# Altium PCB GameBoard_V1I1_Phase1.PcbDoc (part 11 of 18)
Units mm, origin at the board's own origin, x right, y up, seen from the top; angles counter-clockwise.
Board outline 182 x 70.2 mm, 12 copper layers (L1, L2, L3, L4, L5 (PWR), L6 (PWR), L7 (PWR), L8 (PWR), L9, L10, L11, L12), stack 2.079 mm thick; 1542 components, 1068 nets, 5447 pads, 3805 vias.
Unrouted connection lines stored in the file: 2.
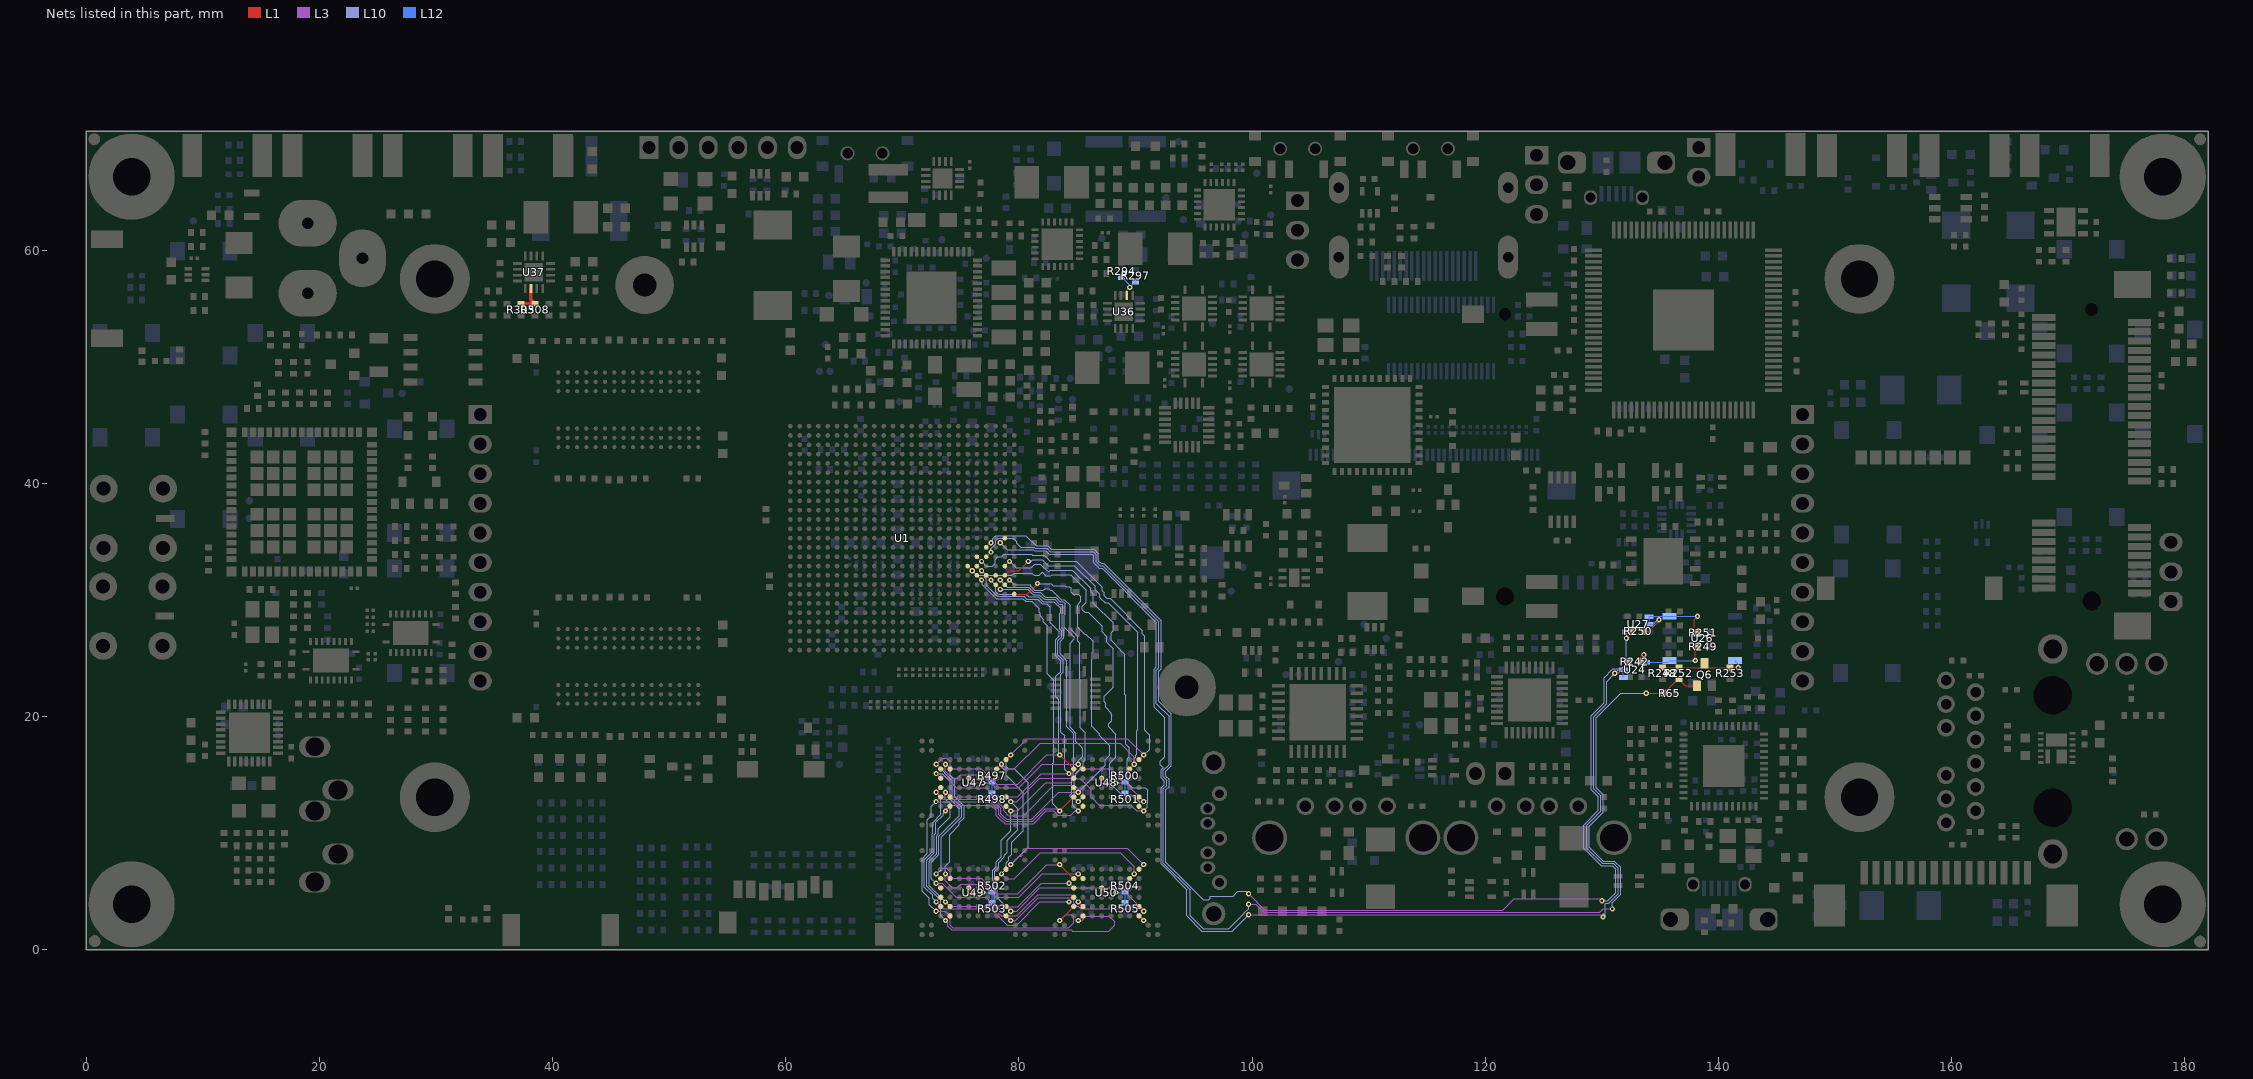
[diagram p21: the nets of this part, all layers, seen from the top]

## Via types
v1: diameter 0.45, hole 0.2, L1 to L12, 1937 vias
v2: diameter 0.45, hole 0.2, L1 to L12, tented both sides, 1004 vias
v3: diameter 0.27, hole 0.1, L1 to L2, 337 vias
v4: diameter 0.27, hole 0.1, L2 to L3, 335 vias
v5: diameter 0.27, hole 0.1, L10 to L11, 96 vias
v6: diameter 0.27, hole 0.1, L11 to L12, 94 vias
v7: diameter 0.27, hole 0.1, L3 to L5 (PWR), 2 vias

## Nets (pads, with @x,y where several pads share a name; then routed paths per layer and width w, separated by ;. In a path a pad name is that pad's centre, name@x,y a point inside that pad or via, vN(x,y) a via of type N, cw(c..) or ccw(c..) an arc to the next point about the centre after c; other vN are vias at no path point) (continued)
FLASH_DATA1: U1.C17 U47.J4 U48.J4 U49.J4 U50.J4 | length 62.3
  L1 w0.093: v2(73.7,6.5) U49.J4@74.1,6.1 ; v2(73.7,15.9) U47.J4@74.1,15.5 ; U1.C17@78,32.1 v2(78.4,31.7) ; v2(85.1,6.5) U50.J4@85.5,6.1 ; v2(85.1,15.9) U48.J4@85.5,15.5
  L3 w0.093: v2(73.7,6.5) 73.7,5.9 74.3,5.3 74.7,5.3 75,5.6 76.9,5.6 78,4.5 80,4.5 82,6.5 v2(85.1,6.5) ; v2(73.7,15.9) 73.7,15.3 74.3,14.7 74.7,14.7 75,15 76.9,15 78,13.9 80,13.9 82,15.9 v2(85.1,15.9)
  L10 w0.093: v2(73.7,6.5) 73.7,7.175 74.071,7.546 74.071,9.871 74.9,10.7 74.9,10.927 75.3,11.327 75.3,12.3 74.5,13.1 74.5,14.573 74.1,14.973 74.1,15.5 v2(73.7,15.9) ; v2(78.4,31.7) 79.007,31.093 80.836,31.093 81.292,30.636 81.838,30.636 82.246,30.228 82.554,30.228 82.569,30.244 83.139,30.244 83.544,29.839 83.807,29.839 83.958,29.688 83.958,28.786 83.9,28.729 83.9,27.648 84.676,26.872 84.754,26.872 84.754,26.654 84.4,26.3 84.4,19.073 84.893,18.58 84.893,17.821 85.242,17.472 85.254,17.472 85.388,17.338 85.472,17.338 85.472,16.572 85.1,16.2 v2(85.1,15.9)
FLASH_DATA2: U1.F16 U47.K4 U48.K4 U49.K4 U50.K4 | length 64.2
  L1 w0.093: v2(72.9,6.5) U49.K4@73.3,6.1 ; v2(72.9,15.9) U47.K4@73.3,15.5 ; U1.F16@75.6,32.9 v2(76,32.5) ; v2(83.5,7.3) U50.K4@84.7,6.1 ; v2(83.5,16.7) U48.K4@84.7,15.5
  L3 w0.093: v2(72.9,6.5) 73.4,7 73.8,7 74.1,6.7 74.1,6.375 74.346,6.128 76.772,6.128 78.1,4.8 79.9,4.8 82.4,7.3 v2(83.5,7.3) ; v2(72.9,15.9) 73.078,16.079 73.087,16.079 73.408,16.4 73.8,16.4 74.1,16.1 74.1,15.775 74.346,15.528 76.772,15.528 78.1,14.2 79.9,14.2 82.4,16.7 v2(83.5,16.7)
  L10 w0.093: v2(72.9,6.5) 72.957,6.5 73.328,6.872 73.328,9.628 75.1,11.4 75.1,12.2 74.3,13 74.3,14.5 v2(72.9,15.9) ; v2(76,32.5) 76.4,32.1 76.927,32.1 77.12,31.907 77.193,31.907 77.2,31.9 77.2,31.246 78.153,30.293 78.682,30.293 78.696,30.307 80.428,30.307 80.678,30.057 81.598,30.057 82.006,29.649 82.38,29.649 82.672,29.358 82.672,28.057 83.471,27.257 83.471,26.917 83.143,26.588 83.143,25.212 83.572,24.783 83.572,23.846 83.165,23.439 83.165,21.692 83.414,21.442 83.414,16.786 v2(83.5,16.7)
FLASH_DATA3: U1.D17 U47.K5 U48.K5 U49.K5 U50.K5 | length 62.9
  L1 w0.093: v2(72.9,5.7) U49.K5@73.3,5.3 ; v2(72.9,15.1) U47.K5@73.3,14.7 ; U1.D17@77.2,32.1 v2(77.6,31.7) ; v2(84.3,5.7) U50.K5@84.7,5.3 ; v2(84.3,15.1) U48.K5@84.7,14.7
  L3 w0.093: v2(72.9,5.7) 73.425,5.7 74.625,4.5 77.2,4.5 78,3.7 79.9,3.7 81.9,5.7 v2(84.3,5.7) ; v2(72.9,15.1) 73.425,15.1 74.625,13.9 77.2,13.9 78,13.1 79.9,13.1 81.9,15.1 v2(84.3,15.1)
  L10 w0.093: v2(72.9,5.7) 72.5,6.1 72.5,7.508 73.135,8.144 73.135,9.708 73.272,9.845 73.272,9.872 74.9,11.5 74.9,12.1 74.1,12.9 74.1,14.427 73.427,15.1 v2(72.9,15.1) ; v2(77.6,31.7) 78.029,31.272 78.029,30.69 78.219,30.5 80.608,30.5 80.858,30.25 81.678,30.25 82.086,29.842 82.994,29.842 83.572,29.265 83.572,28.946 83.5,28.875 83.5,27.502 83.664,27.337 83.664,26.837 83.336,26.508 83.336,25.292 83.793,24.834 83.793,23.795 83.607,23.609 83.607,18.656 83.929,18.335 83.929,15.471 v2(84.3,15.1)
FLASH_DATA4: U1.A19 U47.K6 U48.K6 U49.K6 U50.K6 | length 66.4
  L1 w0.093: v2(72.9,4.1) U49.K6@73.3,4.5 ; v2(72.9,13.5) U47.K6@73.3,13.9 ; U1.A19@79.6,30.5 80.7,30.5 v2(81.6,31.4) ; v2(84.3,4.1) U50.K6@84.7,4.5 ; U48.K6@84.7,13.9 v2(85.1,13.5)
  L3 w0.093: v2(72.9,4.1) 73.5,3.5 77.6,3.5 79,2.1 79.8,2.1 81.8,4.1 v2(84.3,4.1) ; v2(72.9,13.5) 73.5,12.9 77.6,12.9 77.714,12.786 77.738,12.786 77.967,12.557 78.014,12.557 78.457,12.114 78.457,11.643 78.735,11.365 78.8,11.365 78.965,11.2 81.1,11.2 83.4,13.5 v2(85.1,13.5)
  L10 w0.093: v2(72.9,4.1) 72.6,4.4 72.6,4.654 71.9,5.354 71.9,7.727 72.556,8.384 72.556,9.948 72.6,9.992 72.6,10.9 73.3,11.6 73.3,13.1 v2(72.9,13.5) ; v2(81.6,31.4) 82.775,31.4 82.946,31.228 83.973,31.228 84.066,31.136 84.337,31.136 84.493,30.98 84.493,30.665 84.741,30.417 84.796,30.472 85.104,30.472 85.321,30.254 85.321,29.946 85.267,29.891 85.292,29.866 85.029,29.604 85.029,27.671 85.629,27.072 85.754,27.072 86.365,26.461 86.365,25.566 86.3,25.502 86.3,24.925 86.228,24.854 86.228,19.167 86.893,18.502 86.893,18.403 87.807,17.489 87.807,16.68 87.407,16.28 87.407,15.807 v2(85.1,13.5)
FLASH_DATA5: U1.B18 U47.J7 U48.J7 U49.J7 U50.J7 | length 65.9
  L1 w0.093: v2(73.7,4.1) U49.J7@74.1,3.7 ; v2(73.7,13.5) U47.J7@74.1,13.1 ; U1.B18@78.8,31.3 v2(79.2,31.7) ; v2(85.1,4.1) U50.J7@85.5,3.7 ; v2(85.1,12.7) U48.J7@85.5,13.1
  L3 w0.093: v2(73.7,4.1) 74.071,3.728 77.471,3.728 77.507,3.693 77.68,3.693 78.473,2.9 79.8,2.9 81.6,4.7 84.5,4.7 v2(85.1,4.1) ; v2(73.7,13.5) 74.071,13.129 77.471,13.129 77.507,13.093 77.68,13.093 77.794,12.979 77.818,12.979 78.047,12.75 78.094,12.75 78.7,12.144 78.7,11.9 79.1,11.5 80.4,11.5 83,14.1 84.5,14.1 84.7,13.9 85.225,13.9 85.5,13.625 85.5,13.1 v2(85.1,12.7)
  L10 w0.093: v2(73.7,4.1) 72.3,5.5 72.3,7.581 72.942,8.224 72.942,9.788 73.079,9.925 73.079,10.379 74.1,11.4 74.1,12.5 73.7,12.9 v2(73.7,13.5) ; v2(79.2,31.7) 79.6,31.3 80.627,31.3 80.641,31.286 80.96,31.286 81.035,31.21 81.035,31.166 81.372,30.829 82.104,30.829 82.246,30.972 82.554,30.972 82.683,30.843 82.813,30.843 83.624,30.032 83.887,30.032 84.385,29.533 84.385,27.513 85.035,26.863 85.035,26.466 85.2,26.302 85.2,23.197 85.272,23.125 85.272,19.028 85.675,18.625 85.675,16.272 85.529,16.125 85.529,15.803 84.865,15.139 84.865,14.866 84.8,14.802 84.8,14.525 84.728,14.525 84.728,13.346 84.8,13.275 84.8,13 v2(85.1,12.7)
FLASH_DATA6: U1.E17 U47.K7 U48.K7 U49.K7 U50.K7 | length 67.1
  L1 w0.093: v1(72.9,3.3) U49.K7@73.3,3.7 ; v2(72.9,12.7) U47.K7@73.3,13.1 ; U1.E17@76.4,32.1 v2(76.8,31.7) ; v2(83.5,2.5) U50.K7@84.7,3.7 ; v2(83.5,11.9) U48.K7@84.7,13.1
  L3 w0.093: v1(72.9,3.3) 73.7,3.3 74.1,2.9 74.1,2.1 74.307,1.893 84.293,1.893 84.7,2.3 84.7,2.8 84.5,3 84,3 v2(83.5,2.5) ; v2(72.9,12.7) 77.325,12.7 77.432,12.593 77.658,12.593 77.887,12.364 77.934,12.364 78.264,12.034 78.264,11.563 78.655,11.172 78.72,11.172 78.885,11.007 81.18,11.007 82.266,12.093 83.208,12.093 83.321,11.98 83.321,11.826 83.374,11.774 v2(83.5,11.9)
  L10 w0.093: v1(72.9,3.3) 72.327,3.873 72.327,4.4 71.707,5.02 71.707,5.393 71.7,5.4 71.7,7.8 72.15,8.25 72.15,11.15 72.5,11.5 72.5,12.3 v2(72.9,12.7) ; v2(76.8,31.7) 76.873,31.627 76.873,31.3 78.073,30.1 78.762,30.1 78.776,30.114 80.348,30.114 80.598,29.864 81.1,29.864 81.729,29.236 81.729,28.946 81.837,28.837 81.837,28.619 82.1,28.356 82.1,28.125 82.428,27.797 82.428,23.663 82.972,23.12 82.972,16.044 82.9,15.973 82.9,12.5 v2(83.5,11.9)
FLASH_DATA7: U1.C18 U47.J8 U48.J8 U49.J8 U50.J8 | length 70.6
  L1 w0.093: v2(73.7,2.5) U49.J8@74.1,2.9 ; v2(73.7,11.9) U47.J8@74.1,12.3 ; U1.C18@78,31.3 v2(78.4,30.9) ; v2(85.1,2.5) U50.J8@85.5,2.9 ; v2(85.1,11.9) U48.J8@85.5,12.3
  L3 w0.093: v2(73.7,2.5) 73.907,2.293 73.907,2.02 74.227,1.7 84.473,1.7 84.573,1.6 87.7,1.6 88.2,2.1 88.2,2.4 87.728,2.872 85.746,2.872 85.375,2.5 v2(85.1,2.5) ; v2(73.7,11.9) 74.2,12.4 77.579,12.4 77.807,12.171 77.854,12.171 78.071,11.954 78.071,11.483 78.575,10.979 78.64,10.979 78.805,10.814 81.26,10.814 82.346,11.9 82.975,11.9 83.346,11.529 84.454,11.529 84.825,11.9 v2(85.1,11.9)
  L10 w0.093: v2(73.7,2.5) 73.3,2.9 73.3,4.227 72.1,5.427 72.1,7.654 72.749,8.304 72.749,9.868 72.886,10.005 72.886,10.913 73.493,11.52 73.493,11.693 v2(73.7,11.9) ; v2(78.4,30.9) 80.756,30.9 81.212,30.443 81.758,30.443 82.166,30.035 82.634,30.035 82.649,30.051 83.059,30.051 83.464,29.646 83.727,29.646 83.765,29.608 83.765,28.866 83.707,28.809 83.707,27.568 83.857,27.417 83.857,26.757 83.528,26.428 83.528,25.372 84.1,24.8 84.1,19.1 84.7,18.5 84.7,15.248 84.672,15.219 84.672,14.946 84.607,14.882 84.607,14.677 84.535,14.605 84.535,13.393 84.52,13.393 84.407,13.28 84.407,13.12 84.6,12.927 84.6,12.4 v2(85.1,11.9)
FLASH_PT0: R497.1 R498.2 U47.G5 | length 3.2
  L1 w0.1: U47.G5@75.7,14.7 76.1,14.3 v2(76.9,14.3)
  L12 w0.1: v2(76.9,14.3) 77.6,14.3 R497.1@77.7,14.4 R498.2@77.7,13.4
FLASH_PT1: R500.1 R501.2 U48.G5 | length 3.2
  L1 w0.1: U48.G5@87.1,14.7 87.5,14.3 v2(88.3,14.3)
  L12 w0.1: v2(88.3,14.3) 89,14.3 R500.1@89.1,14.4 R501.2@89.1,13.4
FLASH_PT2: R502.1 R503.2 U49.G5 | length 3.2
  L1 w0.1: U49.G5@75.7,5.3 76.1,4.9 v2(76.9,4.9)
  L12 w0.1: v2(76.9,4.9) 77.6,4.9 R502.1@77.7,5 R503.2@77.7,4
FLASH_PT3: R504.1 R505.2 U50.G5 | length 3.2
  L1 w0.1: U50.G5@87.1,5.3 87.5,4.9 v2(88.3,4.9)
  L12 w0.1: v2(88.3,4.9) 89,4.9 R504.1@89.1,5 R505.2@89.1,4
FLASH_RB0: U1.B16 U47.C8 U48.C8 U49.C8 U50.C8 | length 71.3
  L1 w0.093: U1.B16@78.8,32.9 v2(79.2,33.3) ; U49.C8@78.9,2.9 v2(79.3,2.5) ; U47.C8@78.9,12.3 v2(79.3,11.9) ; U50.C8@90.3,2.9 v2(90.7,2.5) ; U48.C8@90.3,12.3 v2(90.7,11.9)
  L3 w0.093: v2(79.3,2.5) 79.7,2.5 81.672,4.472 84.456,4.472 84.7,4.227 84.7,3.975 84.946,3.728 85.072,3.728 85.3,3.5 89.7,3.5 v2(90.7,2.5) ; v2(79.3,11.9) 79.9,11.9 82.3,14.3 84.408,14.3 84.78,14.672 85.254,14.672 86.2,13.725 86.2,13.1 86.9,12.4 89.6,12.4 90.1,11.9 v2(90.7,11.9)
  L10 w0.093: v2(79.2,33.3) 79.764,32.735 81.034,32.735 81.095,32.797 81.097,32.795 81.366,33.065 81.834,33.065 82.463,32.435 82.591,32.435 82.706,32.55 84.595,32.55 86.143,31.002 86.143,30.721 86.393,30.472 86.393,29.707 88.072,28.029 88.072,27.346 87.907,27.182 87.907,26.52 88.707,25.72 88.707,25.693 89.072,25.328 89.072,21.897 89.172,21.797 89.172,19.987 89.164,19.98 89.164,17.622 89.472,17.314 89.472,16.546 89.3,16.375 89.3,14.3 89.728,13.872 90.854,13.872 91.072,13.654 91.072,12.546 91.007,12.482 91.007,12.207 v2(90.7,11.9) ; v2(79.3,2.5) 77.9,3.9 77.9,5.75 77.742,5.907 77.742,6.814 77.782,6.854 77.782,6.857 78.072,7.146 78.072,7.416 78.073,7.417 78.073,7.546 78.5,7.973 78.5,9.4 79.3,10.2 v2(79.3,11.9)
FLASH_RE_B: U1.B17 U47.D4 U48.D4 U49.D4 U50.D4 | length 66.9
  L1 w0.093: U49.D4@78.1,6.1 v2(78.5,6.5) ; U47.D4@78.1,15.5 v2(78.5,15.9) ; U1.B17@78.8,32.1 79.2,32.5 80,32.5 v2(80.8,33.3) ; U50.D4@89.5,6.1 v2(89.9,6.5) ; U48.D4@89.5,15.5 v2(89.9,15.9)
  L3 w0.093: v2(78.5,6.5) 78.9,6.1 79.6,6.1 81.814,8.314 88.686,8.314 89.9,7.1 v2(89.9,6.5) ; v2(78.5,15.9) 78.9,15.5 79.6,15.5 81.814,17.714 88.686,17.714 89.9,16.5 v2(89.9,15.9)
  L10 w0.093: v2(78.5,6.5) 78.928,6.929 78.928,7.454 79.146,7.671 79.146,7.946 79.386,8.186 79.386,9.213 80.393,10.22 80.393,13.48 78.9,14.973 78.9,15.3 78.5,15.7 v2(78.5,15.9) ; v2(80.8,33.3) 81.052,33.3 81.095,33.343 81.097,33.341 81.206,33.45 81.994,33.45 82.527,32.917 82.546,32.936 84.755,32.936 86.529,31.162 86.529,30.881 86.943,30.468 86.943,30.186 87.386,29.743 87.668,29.743 90.2,27.211 90.2,18.872 90.086,18.758 90.086,16.759 90.007,16.68 90.007,16.52 90.026,16.501 89.9,16.374 v2(89.9,15.9) v2@90,16
FLASH_WE_B: U1.E16 U47.C7 U48.C7 U49.C7 U50.C7 | length 73.7
  L1 w0.093: U1.E16@76.4,32.9 v2(76.8,32.5) ; U49.C7@78.9,3.7 v2(79.3,3.3) ; U47.C7@78.9,13.1 v2(79.3,12.7) ; U50.C7@90.3,3.7 v2(90.7,3.3) ; U48.C7@90.3,13.1 v2(90.7,12.7)
  L3 w0.093: v2(79.3,3.3) 79.8,3.3 81.8,5.3 88.728,5.3 90.7,3.328 v2(90.7,3.3) ; v2(79.3,12.7) 79.8,12.7 81.8,14.7 84.536,14.7 85.336,15.5 87.928,15.5 90.7,12.728 v2(90.7,12.7)
  L10 w0.093: v2(76.8,32.5) 77.2,32.1 79.4,32.1 79.6,32.3 81.1,32.3 81.3,32.1 81.725,32.1 81.983,32.357 81.995,32.357 82.303,32.049 82.751,32.049 82.866,32.165 84.436,32.165 85.757,30.843 85.757,29.786 85.429,29.457 85.43,29.456 85.429,29.454 85.429,29.146 85.646,28.928 85.954,28.928 85.956,28.93 87.144,27.742 87.136,27.734 87.136,27.266 87.466,26.936 87.521,26.936 87.521,26.36 88.072,25.81 88.072,22.519 87.3,21.747 87.3,21.247 87.428,21.119 87.428,20.772 87.929,20.271 87.929,20.146 87.972,20.103 87.972,19.646 87.7,19.375 87.7,19.1 88.314,18.486 88.314,16.514 87.8,16 87.8,13.998 87.87,13.928 88.172,13.928 88.8,13.3 89.627,13.3 90.02,12.907 90.093,12.907 90.3,12.7 v2(90.7,12.7) ; v2(79.3,3.3) 78.128,4.472 78.128,6.073 77.975,6.226 77.935,6.266 77.935,6.734 78.266,7.065 78.266,7.466 78.76,7.96 78.76,8.106 79,8.346 79,9.4 79.9,10.3 79.9,12.1 v2(79.3,12.7)
FLASH_WP_B: U1.E15 U47.C3 U48.C3 U49.C3 U50.C3 | length 68
  L1 w0.093: U1.E15@76.4,33.7 v2(76.8,33.3) ; U49.C3@78.9,6.9 v2(79.3,7.3) ; U47.C3@78.9,16.3 v2(79.3,16.7) ; U50.C3@90.3,6.9 v2(90.7,7.3) ; U48.C3@90.3,16.3 v2(90.7,16.7)
  L3 w0.093: v2(79.3,7.3) 80.004,8.003 80.181,8.003 80.297,8.119 80.297,8.281 80.289,8.289 80.7,8.7 89.3,8.7 v2(90.7,7.3) ; v2(79.3,16.7) 80.7,18.1 89.3,18.1 v2(90.7,16.7)
  L10 w0.093: v2(76.8,33.3) 77.2,32.9 77.727,32.9 77.972,33.144 77.972,33.463 77.963,33.463 78.2,33.7 78.527,33.7 78.72,33.893 81.09,33.893 81.147,33.836 82.154,33.836 82.668,33.322 84.915,33.322 87.165,31.073 87.165,30.791 87.328,30.628 87.328,30.346 87.546,30.128 87.828,30.128 90.586,27.37 90.586,27.114 90.8,26.9 90.8,18.805 91.207,18.398 91.207,17.207 v2(90.7,16.7) ; v2(79.3,7.3) 80.8,8.8 80.8,14.3 79.6,15.5 79.1,15.5 78.929,15.671 78.929,16.328 v2(79.3,16.7)
FLEXCAN1_RX: R250.1 U1.D14 U27.4 | length 109.8
  L1 w0.1: U1.D14@77.2,34.5 v2(77.6,34.9) ; v1(132.1,26.7) 132.1,27.1 132.3,27.3 R250.1@132.6,27.3
  L3 w0.1: v1(99.7,4.8) 101.1,3.4 121.5,3.4 122.475,4.375 129.825,4.375 v1(130,4.2)
  L10 w0.1: v2(77.6,34.9) 77.775,35.075 77.775,35.258 78.017,35.5 80.6,35.5 81.474,34.626 82.481,34.626 82.782,34.325 86.441,34.325 86.825,33.941 86.825,33.345 87.045,33.125 87.292,33.125 92.2,28.217 92.2,24.1 92,23.9 92,21.3 93.075,20.225 93.075,15.762 92.6,15.287 92.6,14.896 92.875,14.621 92.875,13.979 92.6,13.704 92.6,7.517 95.817,4.3 96.283,4.3 96.4,4.417 96.4,4.571 96.429,4.6 98.383,4.6 98.783,5 99.5,5 v1(99.7,4.8) ; v1(130,4.2) 130.5,4.2 131.2,4.9 131.2,6.9 130.9,7.2 129.934,7.2 128.426,8.709 128.426,10.683 129.7,11.957 129.7,13.134 129.1,13.734 129.1,20.066 130.2,21.166 130.2,23.33 130.945,24.075 131.675,24.075 132.1,24.5 v1(132.1,26.7)
  L12 w0.1: v1(132.1,26.7) 132.15,26.75 U27.4@132.15,27.25
FLEXCAN1_RX_BUFF: R250.2 R251.1 U26.4 U27.1 U27.2 | length 9.3
  L1 w0.1: R250.2@133.6,27.3 134,27.3 134.9,28.2 v1(134.9,28.3) ; R251.1@138.2,27.2 137.9,27.5 137.9,28.3 v1(138.2,28.6)
  L12 w0.1: v1(134.9,28.3) 134.8,28.3 134.4,27.9 U27.2@134.05,27.9 U27.1@134.05,28.55 134.105,28.605 U26.4@135.8,28.605 138.195,28.605 v1(138.2,28.6)
FLEXCAN1_STBY: Q6.1 R65.1 R252.1 U1.D15 | length 113.8
  L1 w0.1: U1.D15@77.2,33.7 v2(77.6,34.1) ; v1(133.8,22) R65.1@135.3,22 136.5,23.2 R252.1@136.6,23.2 137.15,22.65 Q6.1@138.15,22.65
  L3 w0.1: v1(99.7,3.9) 100.317,3.9 101.017,3.2 129.8,3.2 130.1,3.5 v1(130.9,3.5)
  L10 w0.1: v2(77.6,34.1) 77.6,34.37 78.025,34.795 78.025,35.055 78.245,35.275 79.525,35.275 79.825,34.975 79.825,34.845 80.17,34.5 81.317,34.5 81.391,34.426 82.398,34.426 82.699,34.125 86.358,34.125 86.625,33.858 86.625,33.262 86.962,32.925 87.209,32.925 92,28.134 92,24.183 91.8,23.983 91.8,21.1 92.875,20.025 92.875,15.845 92.4,15.37 92.4,14.813 92.675,14.538 92.675,14.062 92.4,13.787 92.4,7.434 94.7,5.134 94.7,2.9 95.8,1.8 98,1.8 99.325,3.125 99.325,3.155 99.7,3.53 v1(99.7,3.9) ; v1(130.9,3.5) 130.9,4.034 131.6,4.734 131.6,7.066 131.066,7.6 130.1,7.6 128.9,8.8 128.9,10.591 130.1,11.791 130.1,13.3 129.5,13.9 129.5,19.9 131.6,22 v1(133.8,22)
FLEXCAN1_STBY_Q: Q6.3 R248.1 R252.2 R253.2 U26.8 | length 7.5
  L1 w0.1: R248.1@135.2,24.2 R252.2@136.6,24.2 138.45,24.2 Q6.3@138.8,24.55 139.15,24.2 R253.2@141,24.2 v1(141.7,24.2)
  L12 w0.1: U26.8@141.4,24.795 141.7,24.495 v1(141.7,24.2)
FLEXCAN1_TX: R242.1 U1.B13 U24.1 U24.2 | length 109.6
  L1 w0.1: v2(78.4,34.9) U1.B13@78.8,35.3 ; v1(131.1,23.7) 131.4,23.7 R242.1@132.4,24.7
  L3 w0.1: v1(99.7,3) 129.9,3 v1(130.1,2.8)
  L10 w0.1: v2(78.4,34.9) 78.632,34.668 78.635,34.668 78.968,34.335 78.968,34.332 79,34.3 81.234,34.3 81.308,34.226 82.315,34.226 82.616,33.925 86.275,33.925 86.425,33.775 86.425,33.179 86.879,32.725 87.126,32.725 91.8,28.051 91.8,24.266 91.6,24.066 91.6,20.8 92.5,19.9 92.5,16.53 92.125,16.155 92.125,15.845 92.359,15.611 92.2,15.453 92.2,14.73 92.475,14.455 92.475,14.145 92.2,13.87 92.2,7.351 94.4,5.151 94.4,2.9 95.7,1.6 98.3,1.6 v1(99.7,3) ; v1(130.1,2.8) 130.1,3.1 v1@130.275,2.925 ; v1(131.1,23.7) 130.4,23 130.4,21.083 129.3,19.983 129.3,13.817 129.9,13.217 129.9,11.874 128.7,10.674 128.7,8.717 130.017,7.4 130.983,7.4 131.4,6.983 131.4,4.817 130.583,4 130.33,4 130.275,3.945 v1@130.275,2.925 ; v1@130.275,2.925 130.3,2.9 130.275,2.875 v1@130.275,2.925
  L12 w0.1: v1(131.1,23.7) 131.4,24 U24.2@131.85,24 U24.1@131.85,23.35
FLEXCAN1_TX_BUFF: R242.2 R249.1 U24.4 U26.1 | length 7
  L1 w0.1: R242.2@133.317,24.7 133.317,25.017 v1(133.6,25.3) ; v1(138,24.8) 138,25.57 138.2,25.77 R249.1@138.2,26
  L12 w0.1: v1(133.6,25.3) 133.75,25.15 U24.4@133.75,24.65 135.655,24.65 U26.1@135.8,24.795 135.805,24.8 v1(138,24.8)
FS_1V375: R294.1 R297.2 U36.6 | length 2.7
  L1 w0.1: U36.6@89.25,56.11 89.25,56.55 v1(89.5,56.8)
  L12 w0.1: R294.1@88.8,57.704 89.5,57.004 v1(89.5,56.8) R297.2@90,57.3
FS_3V3_HDR: R305.1 R308.2 U37.6 | length 2.6
  L1 w0.3: R305.1@37.3,55.4 R308.2@38.5,55.4 38.15,55.75 U37.6@38.15,56.69